# Altium PCB DIOT_Kasli_Adapter.PcbDoc (part 9 of 10) (continued)
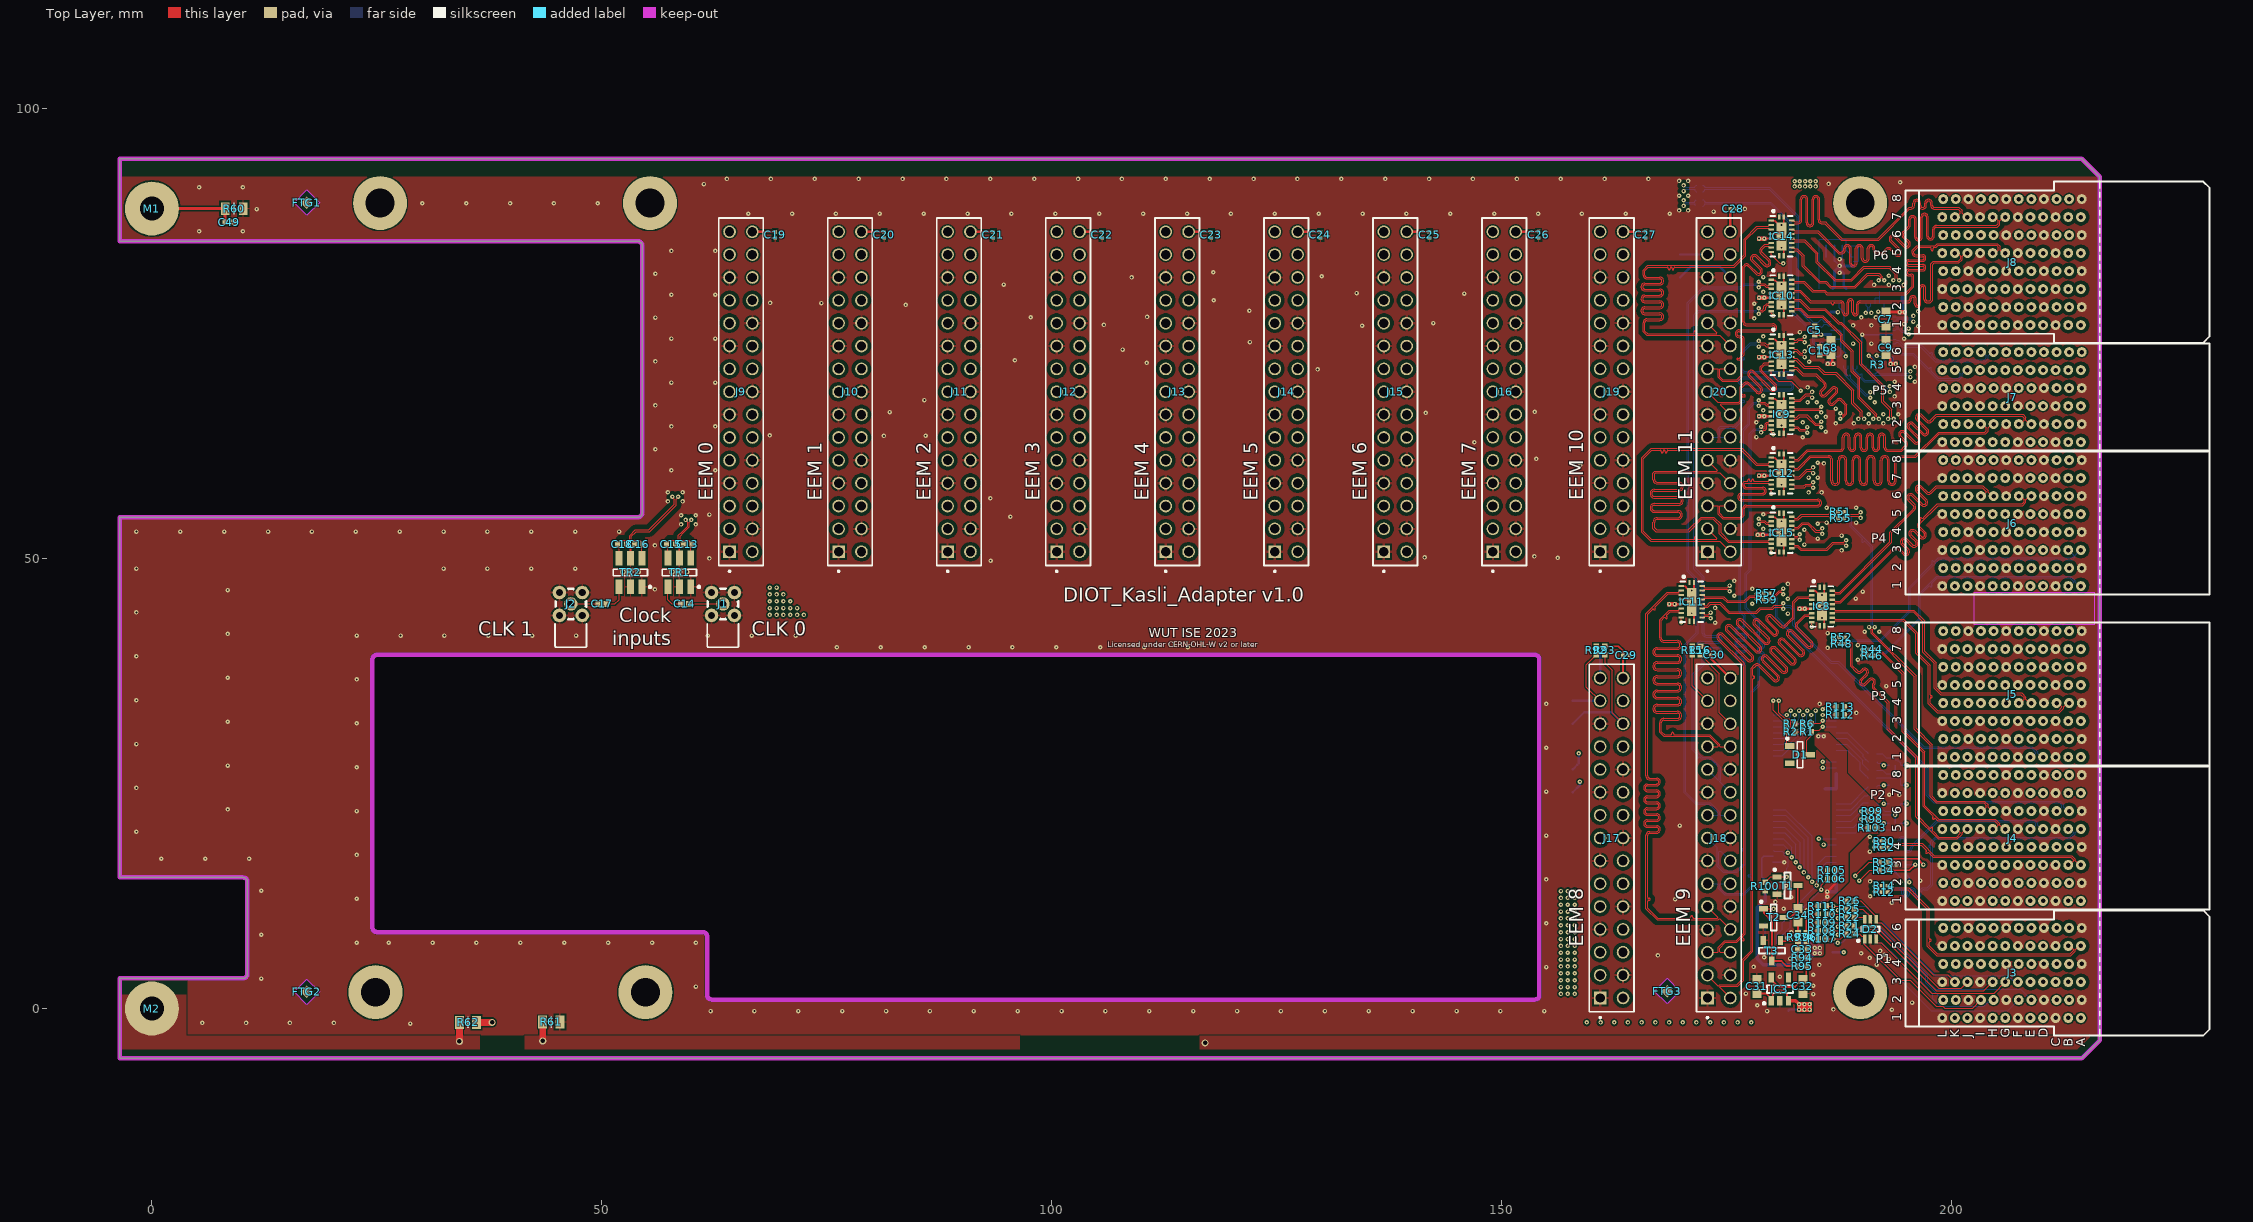
[diagram p0: Top Layer view]
## Nets (pads, with @x,y where several pads share a name; then routed paths per layer and width w, separated by ;. In a path a pad name is that pad's centre, name@x,y a point inside that pad or via, vN(x,y) a via of type N, cw(c..) or ccw(c..) an arc to the next point about the centre after c; other vN are vias at no path point) (continued)
  other v1: 28.702,-1.676 5.588,-1.6 10.465,-1.6 15.342,-1.6 20.218,-1.6 62.078,-0.279 66.954,-0.279 71.831,-0.279 76.708,-0.279 81.585,-0.279 86.462,-0.279 91.338,-0.279 96.215,-0.279 101.092,-0.279 105.969,-0.279 110.846,-0.279 115.722,-0.279 120.599,-0.279 125.476,-0.279 130.353,-0.279 135.23,-0.279 140.106,-0.279 144.983,-0.279 149.86,-0.279 154.737,-0.279 179.502,-0.279 193.37,-0.127 186.877,-0.105 178.41,0.356 195.605,0.66 184.633,1.602 177.153,1.664 60.452,2.438 184.633,2.54 12.141,3.327 180.924,3.531 184.633,3.759 154.955,4.597 178.003,4.623 185.318,4.851 191.668,4.857 193.039,5.492 182.046,5.556 190.906,5.619 179.164,5.706 167.361,5.893 192.531,5.949 189.941,6.147 192.049,6.407 22.758,7.315 26.314,7.315 31.191,7.315 36.068,7.315 40.945,7.315 45.822,7.315 50.698,7.315 55.575,7.315 60.452,7.315 12.141,8.204 182.2,8.461 154.955,9.474 183.882,10.906 181.337,11.088 193.369,11.757 180.419,11.84 169.266,12.141 22.758,12.192 182.183,12.389 190.938,12.477 12.141,13.081 181.61,13.64 190.938,14.12 196.494,14.224 154.955,14.351 193.858,16.004 1.041,16.637 5.918,16.637 10.795,16.637 22.758,17.069 190.926,17.435 190.926,19.078 154.955,19.228 -1.727,19.634 169.799,20.326 22.758,21.946 8.433,22.123 194.208,23.735 193.075,23.755 154.955,24.105 -1.727,24.511 22.758,26.822 8.433,27 154.955,28.981 -1.727,29.388 22.758,31.699 8.433,31.877 189.433,32.842 154.955,33.858 185.334,33.856 -1.727,34.265 192.735,35.839 22.758,36.576 8.433,36.754 189.587,38.753 -1.727,39.141 186.218,40.078 76.124,40.157 81.001,40.157 85.877,40.157 90.754,40.157 95.631,40.157 100.508,40.157 105.385,40.157 110.261,40.157 115.138,40.157 189.587,40.396 22.758,41.453 27.635,41.453 32.512,41.453 37.389,41.453 42.266,41.453 47.142,41.453 52.019,41.453 56.896,41.453 61.773,41.453 66.65,41.453 71.526,41.453 8.433,41.631 186.218,41.721 190.33,41.882 191.973,41.882 173.725,42.871 181.811,43.894 -1.727,44.018 173.725,44.514 177.85,44.98 181.811,45.537 189.357,45.552 175.844,45.871 190.131,46.332 8.433,46.507 55.905,46.584 177.85,46.623 181.811,47.18 175.844,47.514 -1.727,48.895 32.41,48.895 37.287,48.895 42.164,48.895 47.041,48.895 93.205,49.755 61.951,50.013 156.239,50.08 141.433,50.132 153.649,50.24 187.771,50.915 55.905,51.46 183.641,51.567 185.12,52.228 187.771,52.558 -1.727,53.01 3.15,53.01 8.026,53.01 12.903,53.01 17.78,53.01 22.657,53.01 27.534,53.01 32.41,53.01 37.287,53.01 42.164,53.01 47.041,53.01 51.918,53.01 183.641,53.21 179.079,53.293 58.797,53.797 60.44,53.797 185.12,53.871 186.103,54.006 189.382,54.006 95.402,54.661 58.797,54.813 60.44,54.813 61.951,54.889 179.079,54.936 186.103,55.649 189.382,55.649 57.336,56.363 58.979,56.363 93.193,56.707 184.103,57.362 185.548,57.36 57.336,57.379 58.979,57.379 184.103,59.005 185.119,59.005 85.8,59.608 57.734,59.817 62.611,59.817 158.725,60.376 185.811,60.58 185.119,60.648 153.848,61.08 55.956,62.154 146.976,62.922 183.456,63.485 178.317,63.513 81.354,63.642 85.974,63.664 68.667,63.686 186.029,64.096 57.734,64.694 62.611,64.694 187.122,65.028 189.144,65.022 190.787,65.022 192.43,65.022 183.456,65.128 178.317,65.156 185.013,65.739 186.029,65.739 190.787,66.038 192.43,66.038 194.073,66.038 141.554,66.192 82.005,66.288 153.67,66.294 179.079,66.465 187.122,66.671 55.956,67.031 191.465,67.367 183.997,67.382 185.013,67.382 85.844,67.611 193.665,68.018 179.079,68.108 183.997,69.025 191.465,69.01 57.734,69.571 62.611,69.571 193.665,69.661 195.935,69.661 129.54,71.018 195.935,71.304 110.566,71.755 184.166,71.889 55.956,71.907 95.91,72.034 179.079,73.051 107.874,73.228 184.166,73.532 122.022,74.066 194.716,74.428 57.734,74.447 62.611,74.447 179.079,74.694 183.15,75.175 196.278,75.835 134.493,75.87 105.791,75.971 194.716,76.071 142.392,76.175 178.063,76.685 55.956,76.784 189.953,76.796 191.596,76.796 97.659,76.823 110.601,76.852 196.278,77.478 121.971,77.546 83.768,78.186 178.063,78.328 74.411,78.393 68.7,78.416 118.008,78.715 57.734,79.324 62.611,79.324 145.847,79.451 133.883,79.502 179.079,79.637 191.388,80.422 193.031,80.422 194.674,80.422 94.664,80.458 108.864,81.255 179.079,81.28 130.008,81.389 193.031,81.438 55.956,81.661 117.958,81.825 57.734,84.201 62.611,84.201 5.232,86.385 10.109,86.385 66.264,88.316 71.141,88.316 76.018,88.316 80.895,88.316 85.772,88.316 90.648,88.316 95.525,88.316 100.402,88.316 105.279,88.316 110.156,88.316 115.032,88.316 119.909,88.316 124.786,88.316 129.663,88.316 134.54,88.316 139.416,88.316 144.293,88.316 149.17,88.316 154.047,88.316 158.924,88.316 163.8,88.316 168.677,88.316 173.554,88.57 169.71,88.688 170.726,88.688 11.641,88.847 177.038,88.87 30.048,89.484 34.925,89.484 39.802,89.484 44.679,89.484 49.555,89.484 169.71,90.331 170.726,90.331 5.232,91.262 10.109,91.262 61.341,91.618 186.334,91.643 194.285,91.821 169.71,91.974 170.726,91.974 63.906,92.202 68.783,92.202 73.66,92.202 78.537,92.202 83.414,92.202 88.29,92.202 93.167,92.202 98.044,92.202 102.921,92.202 107.798,92.202 112.674,92.202 117.551,92.202 122.428,92.202 127.305,92.202 132.182,92.202 137.058,92.202 141.935,92.202 146.812,92.202 151.689,92.202 156.566,92.202 161.442,92.202 166.319,92.202
  other v2: 189.055,73.89 191.087,73.89 189.055,75.922 191.087,75.922 187.547,81.763 187.547,83.287
  other v3: 52.354,48.524 53.177,48.524 54.001,48.524 57.788,48.525 58.612,48.525 59.435,48.525
I2C_SCL_0: J9.27
I2C_SCL_1: J10.27
I2C_SCL_2: J11.27
I2C_SCL_3: J12.27
I2C_SCL_4: J13.27
I2C_SCL_5: J14.27
I2C_SCL_6: J15.27
I2C_SCL_7: J16.27
I2C_SCL_8: J17.27 R33.1 R92.1 TP1.1 | length 49.6
  Top Layer w0.127: R92.1@160.528,39.319 160.508,39.319 160.282,39.093 160.282,39.073 159.41,38.202 159.41,35.727 J17.27@160.947,34.19 ; v1(189.301,14.735) 190.839,16.273 R33.1@191.986,16.273
  L4 w0.127: J17.27@160.947,34.19 162.213,32.924 166.322,32.924 171.182,28.064 176.541,28.064 184.823,19.782 185.196,19.782 186.797,18.182 186.797,17.24 v1(189.301,14.735)
  Bottom Layer w0.254: TP1.1@157.899,34.19 J17.27@160.947,34.19
I2C_SCL_9: D4.1 J3.B2 J18.27 R15.1 TP3.1 | length 90.7
  Top Layer w0.127: R15.1@171.183,39.319 171.183,35.879 J18.27@172.872,34.19
  L4 w0.152: J18.27@172.872,34.19 174.133,32.929 175.842,32.929 190.19,18.581 190.19,17.45 191.082,16.558 191.778,16.558 v1(194.284,14.052)
  L9 w0.152: v1(158.577,28.349) 158.577,32.415 159.309,33.147 164.871,33.147 165.914,34.19 J18.27@172.872,34.19 ; v1(194.284,14.052) 194.284,14.032 194.692,13.624 196.214,12.101 196.214,1.962 198.161,0.015 212.134,0.015 J3.B2@213.069,0.95
  Bottom Layer w0.152: D4.1@192.758,15.354 193.5,15.354 194.284,14.57 v1(194.284,14.052)
  Bottom Layer w0.254: TP3.1@157.899,26.591 157.92,26.591 158.407,27.078 158.407,27.099 158.577,27.269 v1(158.577,28.349)
I2C_SCL_10: J19.27
I2C_SCL_11: IC4.22 IC5.22 IC6.6 IC7.1 J20.27 R105.1 TP5.1 | length 119.1
  Top Layer w0.127: v1(185,13.674) 185,14.146 185.981,15.126 186.001,15.126 186.228,15.353 R105.1@186.228,15.373
  L3 w0.127: J20.27@172.872,83.79 172.528,83.79 172.223,83.485 172.171,83.485 169.494,80.808 169.494,50.566 166.954,48.027 166.954,44.354 169.455,41.853 175.248,41.853 175.778,42.384 183.129,42.384 183.682,42.936 186.705,42.936 188.589,41.052 190.392,41.052 191.204,40.241 191.204,32.943 v1(185.681,27.42)
  L6 w0.127: v1(185,13.674) 186.385,15.058 186.385,19.132 185.064,20.453 185.064,26.803 v1(185.681,27.42)
  Bottom Layer w0.127: IC6.6@180.568,7.202 180.568,8.183 181.198,8.813 IC7.1@181.198,9.531 181.434,9.767 181.434,10.108 v1(185,13.674) 185,15.919 185.996,16.914 IC4.22@187.166,16.914 ; v1(185.681,27.42) IC5.22@187.166,27.42
  Bottom Layer w0.254: TP5.1@169.824,83.79 J20.27@172.872,83.79
I2C_SDA_0: J9.26
I2C_SDA_1: J10.26
I2C_SDA_2: J11.26
I2C_SDA_3: J12.26
I2C_SDA_4: J13.26
I2C_SDA_5: J14.26
I2C_SDA_6: J15.26
I2C_SDA_7: J16.26
I2C_SDA_8: J17.26 R34.1 R93.1 TP2.1 | length 51.8
  Top Layer w0.127: R93.1@161.442,39.319 161.493,39.269 161.493,38.358 162.281,37.57 162.281,32.856 J17.26@163.487,31.65 ; v1(189.748,14.211) 190.89,15.354 R34.1@191.986,15.354
  L4 w0.127: J17.26@163.487,31.65 166.389,31.65 170.373,27.666 176.089,27.666 184.267,19.489 184.267,18.782 188.869,14.18 189.716,14.18 v1(189.748,14.211)
  Bottom Layer w0.254: TP2.1@157.899,31.65 159.167,32.918 162.219,32.918 J17.26@163.487,31.65
I2C_SDA_9: D4.6 J3.C2 J18.26 R16.1 TP4.1 | length 91.2
  Top Layer w0.127: R16.1@172.097,39.319 172.117,39.319 172.344,39.093 172.344,39.073 174.206,37.211 174.206,32.856 J18.26@175.412,31.65
  L4 w0.152: J18.26@175.412,31.65 176.276,31.65 189.565,18.362 189.565,17.273 190.834,16.004 191.591,16.004 194.143,13.452 194.7,13.452 v1(195.3,14.052)
  L9 w0.152: v1(158.706,25.206) 158.706,27.561 159.505,28.36 159.505,31.758 160.391,32.645 165.722,32.645 166.021,32.944 174.118,32.944 J18.26@175.412,31.65 ; v1(195.3,14.052) 197.307,12.045 197.307,3.028 198.424,1.911 210.708,1.911 J3.C2@211.669,0.95
  Bottom Layer w0.152: D4.6@194.958,15.354 194.958,14.895 195.3,14.553 v1(195.3,14.052)
  Bottom Layer w0.254: TP4.1@157.899,24.03 158.705,24.836 158.705,25.204 v1(158.706,25.206)
I2C_SDA_10: J19.26
I2C_SDA_11: IC4.23 IC5.23 IC6.5 IC7.3 J20.26 R106.1 TP6.1 | length 129.3
  Top Layer w0.127: v1(185.516,13.217) 185.516,13.722 185.981,14.186 186.001,14.186 186.228,14.413 R106.1@186.228,14.433
  L3 w0.127: J20.26@175.412,81.25 174.152,82.51 172.286,82.51 170.306,80.53 170.306,50.393 168.072,48.158 168.072,44.177 170.051,42.198 174.373,42.198 175.285,43.109 182.683,43.109 183.465,43.891 187.417,43.891 189.877,41.432 190.746,41.432 191.734,40.443 191.734,32.823 v1(185.681,26.77)
  L6 w0.127: v1(185.516,13.217) 186.893,14.593 186.893,19.792 185.681,21.004 v1(185.681,26.77)
  Bottom Layer w0.127: IC7.3@179.298,9.531 IC6.5@179.298,7.202 179.298,6.254 179.577,5.975 180.898,5.975 181.198,6.275 181.198,8.155 182.067,9.024 182.067,9.788 185.495,13.217 v1(185.516,13.217) 185.516,15.622 186.125,16.231 187.132,16.231 IC4.23@187.166,16.264 ; v1(185.681,26.77) IC5.23@187.166,26.77
  Bottom Layer w0.254: TP6.1@169.824,81.25 171.092,82.518 174.144,82.518 J20.26@175.412,81.25
Main_DCXO_1_N: C2.2 IC1.15 R4.1 | length 27.6
  Bottom Layer w0.089: C2.2@172.364,89.865 172.389,89.865 172.545,89.71 172.545,89.657 172.597,89.605 179.91,89.605 182.165,87.349 182.165,77.699 184.756,75.108 184.756,74.079 185.084,73.751 185.241,73.751 185.293,73.803 185.293,73.88 185.539,74.126 R4.1@185.559,74.126 185.575,74.126 185.821,73.88 185.821,73.803 185.873,73.751 186.142,73.751 186.297,73.906 IC1.15@186.575,73.906
Main_DCXO_1_P: C1.2 IC1.14 R4.2 | length 27.6
  Bottom Layer w0.089: C1.2@172.364,89.154 172.389,89.154 172.545,89.31 172.545,89.362 172.597,89.414 179.831,89.414 181.975,87.27 181.975,77.62 184.565,75.029 184.565,74 185.005,73.561 185.241,73.561 185.293,73.509 185.293,73.432 185.539,73.186 R4.2@185.559,73.186 185.575,73.186 185.821,73.432 185.821,73.509 185.873,73.561 186.142,73.561 186.297,73.406 IC1.14@186.575,73.406
Main_DCXO_C_1_N: C2.1 C15.1 TR1.4 | length 151.2
  Top Layer w0.089: TR1.4@57.342,50.049 57.342,51.431 C15.1@57.2,51.573 57.2,51.628 57.484,51.912 57.484,51.988 57.555,52.059 58.464,52.059 58.516,52.111 58.516,52.591 58.916,52.991 58.916,52.997 59.523,53.604 59.523,54.055 59.305,54.273 v1(59.305,54.305)
  L7 w0.089: v1(59.305,54.305) 59.305,54.357 59.51,54.563 59.51,55.015 61.437,56.941 61.437,87.239 63.816,89.618 169.96,89.618 170.166,89.823 v1(170.218,89.823)
  Bottom Layer w0.089: v1(170.218,89.823) 170.25,89.823 170.468,89.605 171.432,89.605 171.484,89.657 171.484,89.71 C2.1@171.639,89.865
Main_DCXO_C_1_P: C1.1 C13.2 TR1.6 | length 151.1
  Top Layer w0.089: TR1.6@59.882,50.049 59.882,51.431 C13.2@60.023,51.573 60.023,51.628 59.739,51.912 59.739,51.988 59.669,52.059 58.759,52.059 58.707,52.111 58.707,52.512 59.107,52.912 59.107,52.918 59.714,53.525 59.714,54.055 59.932,54.273 v1(59.932,54.305)
  L7 w0.089: v1(59.932,54.305) 59.932,54.357 59.726,54.563 59.726,54.925 61.653,56.852 61.653,87.149 62.416,87.913 62.6,88.097 cw(c62.677,88.02) 62.753,88.097 62.792,88.057 ccw(c62.869,88.134) 62.945,88.057 ccw(c62.869,88.134) 62.945,88.21 62.906,88.249 cw(c62.982,88.326) 62.906,88.402 63.242,88.738 63.905,89.402 169.96,89.402 170.166,89.196 v1(170.218,89.196)
  Bottom Layer w0.089: v1(170.218,89.196) 170.25,89.196 170.468,89.414 171.432,89.414 171.484,89.362 171.484,89.31 C1.1@171.54,89.254
NetC5_2: C5.2 IC1.17 | length 1.8
  Top Layer w0.305: C5.2@184.797,74.906 185.482,74.906 v1(185.491,74.897)
  Bottom Layer w0.305: v1(185.491,74.897) 185.501,74.906 IC1.17@186.575,74.906
NetC11_1: C11.1 IC2.7 R9.1 | length 3.3
  Bottom Layer w0.127: R9.1@188.798,84.795 C11.1@189.712,84.795 189.712,83.099 189.638,83.025 IC2.7@189.047,83.025
NetC14_1: C14.1 J1.1 | length 3.8
  Top Layer w0.102: C14.1@59.648,44.958 J1.1@63.458,44.958
NetC14_2: C14.2 TR1.3 | length 3.1
  Top Layer w0.102: TR1.3@57.342,46.869 57.342,45.405 57.788,44.958 C14.2@58.748,44.958
NetC17_1: C17.1 J2.1 | length 3
  Top Layer w0.102: J2.1@46.552,44.958 C17.1@49.6,44.958
NetC17_2: C17.2 TR2.3 | length 3.1
  Top Layer w0.102: C17.2@50.5,44.958 51.46,44.958 51.907,45.405 TR2.3@51.907,46.868
NetC33_1: C33.1 R94.2 R97.1 T3.1 | length 3.8
  Top Layer w0.203: T3.1@180.988,7.575 181.09,7.473 R97.1@182.91,7.473 ; R94.2@182.91,5.634 182.91,6.539 C33.1@182.93,6.559 R97.1@182.93,7.473
NetC34_1: C34.1 R96.1 T1.3 T2.3 | length 7.7
  Top Layer w0.203: T2.3@181.388,10.12 182.108,10.12 182.532,10.544 182.532,10.712 C34.1@182.93,11.111 ; T1.3@182.912,13.671 182.912,11.129 C34.1@182.93,11.111 ; R96.1@183.845,8.413 183.845,10.196 C34.1@182.93,11.111
NetC34_2: C34.2 R97.2 | length 1.2
  Top Layer w0.203: R97.2@182.93,8.413 C34.2@182.93,9.611
NetD1_1: D1.1 IC1.1 IC1.33 R2.2 | length 65.5
  Top Layer w0.102: v1(180.822,34.195) 180.822,32.851 181.496,32.177 181.965,32.177 182.128,32.015 182.128,31.247 181.657,30.776 181.657,29.43 181.931,29.156 D1.1@182.009,29.156
  L7 w0.102: v1(191.68,72.53) 191.68,73.816 192.138,74.274 192.138,77.179 v1(191.859,77.458)
  L9 w0.102: v1(180.822,34.195) 180.822,42.138 179.664,43.296 179.664,49.966 177.452,52.178 177.452,61.674 177.693,61.915 177.693,67.541 179.278,69.126 182.33,69.126 182.802,69.598 187.403,69.598 187.783,69.978 189.127,69.978 v1(191.68,72.53)
  Bottom Layer w0.102: v1(191.68,72.53) 191.721,72.489 192.199,72.489 192.525,72.164 IC1.1@192.525,71.456 ; v1(191.859,77.458) 192.318,77.458 192.525,77.665 IC1.33@192.525,78.356
NetD2_1: D2.1 J3.I2 R24.2 | length 18.3
  Top Layer w0.127: R24.2@189.179,8.286 189.75,8.286 190.017,8.019 190.197,8.019 190.322,7.894 190.322,7.143 194.335,3.13 195.402,3.13 198.297,0.235 199.033,0.235 199.253,0.015 202.334,0.015 J3.I2@203.269,0.95
NetD2_3: D2.3 J3.G3 R21.2 | length 20.9
  Top Layer w0.127: R21.2@189.179,9.202 189.179,9.182 189.405,8.955 189.891,8.955 190.267,8.58 191.261,8.58 191.529,8.312 191.529,7.83 191.77,7.59 191.77,7.315 192.203,7.315 197.813,1.704 203.646,1.704 203.657,1.715 204.733,1.715 J3.G3@205.969,2.95
NetD2_4: D2.4 J3.K3 R26.2 | length 15.2
  Top Layer w0.127: R26.2@189.179,11.949 189.885,11.949 191.633,10.201 D2.4@191.633,9.926 ; D2.4@191.696,9.926 191.696,9.588 191.77,9.515 192.183,9.515 197.959,3.738 199.581,3.738 J3.K3@200.369,2.95
NetD2_5: D2.5 J3.J3 R25.2 | length 16.9
  Top Layer w0.127: R25.2@189.179,11.033 190.151,11.033 D2.5@191.12,10.065 ; D2.5@190.983,9.926 191.105,9.804 191.105,9.242 191.253,9.094 191.698,9.094 198.557,2.235 201.054,2.235 J3.J3@201.769,2.95
NetD2_6: D2.6 J3.H3 R22.2 | length 19.5
  Top Layer w0.127: R22.2@189.179,10.118 190.197,10.118 190.333,9.981 D2.6@190.333,9.926 190.408,9.851 190.408,9.335 190.913,8.83 191.438,8.83 198.3,1.967 203.586,1.967 J3.H3@204.569,2.95
NetD3_1: D3.1 J3.H2 R23.2 | length 20.4
  Bottom Layer w0.127: R23.2@189.179,8.643 189.242,8.58 191.347,8.58 191.529,8.398 D3.1@191.529,7.83 ; D3.1@191.633,7.726 191.77,7.59 191.77,7.315 192.253,7.315 194.057,5.51 194.833,5.51 196.697,3.646 196.697,2.894 197.926,1.665 197.926,1.081 198.773,0.235 203.565,0.235 204.094,0.764 204.483,0.764 J3.H2@204.669,0.95
NetD3_3: D3.3 J3.F2 R20.2 | length 22.5
  Bottom Layer w0.127: R20.2@189.179,7.727 189.179,7.726 D3.3@190.333,7.726 190.322,7.715 190.322,7.143 197.738,-0.274 206.245,-0.274 J3.F2@207.469,0.95
NetD3_4: D3.4 J3.L2 R28.2 | length 14.6
  Bottom Layer w0.127: R28.2@189.179,9.559 189.179,9.579 189.405,9.805 189.425,9.805 189.546,9.926 D3.4@190.333,9.926 190.408,9.851 190.408,9.122 190.722,8.808 191.862,8.808 194.357,6.313 194.437,6.313 197.138,3.612 197.138,2.886 198.138,1.885 198.143,1.885 199.069,0.96 J3.L2@199.069,0.95
NetD3_5: D3.5 J3.E2 R18.2 | length 24.4
  Bottom Layer w0.127: R18.2@189.179,10.474 189.332,10.627 190.557,10.627 D3.5@190.983,10.201 ; D3.5@190.983,9.926 191.105,9.804 191.105,9.199 191.267,9.037 192.037,9.037 197.367,3.707 197.367,2.98 198.233,2.114 207.705,2.114 J3.E2@208.869,0.95
NetD3_6: D3.6 J3.F3 R19.2 | length 22
  Bottom Layer w0.127: R19.2@189.179,11.39 190.444,11.39 191.633,10.201 D3.6@191.633,9.926 ; D3.6@191.696,9.926 191.696,9.588 191.77,9.515 192.386,9.515 198.235,3.665 206.265,3.665 206.684,3.246 206.684,3.207 206.758,3.133 207.186,3.133 J3.F3@207.369,2.95
NetD4_4: D4.4 J4.A7 R33.2 | length 30.5
  Top Layer w0.152: R33.2@192.926,16.293 193.287,16.654 196.227,16.654 v1(196.877,16.004)
  L7 w0.127: v1(196.877,16.004) 196.877,18.923 197.633,19.679 197.633,22.092 198.331,22.79 213.209,22.79 J4.A7@214.369,23.95
  Bottom Layer w0.152: D4.4@194.958,16.654 196.227,16.654 v1(196.877,16.004)
NetD4_5: D4.5 J4.B7 R34.2 | length 27.7
  Top Layer w0.152: R34.2@192.926,15.354 195.323,15.354 v1(195.973,16.004)
  L7 w0.127: v1(195.973,16.004) 195.973,18.96 197.14,20.128 197.14,22.46 197.814,23.134 212.153,23.134 J4.B7@212.969,23.95
  Bottom Layer w0.152: D4.5@194.958,16.004 v1(195.973,16.004)
NetD5_1: D5.1 J4.D7 R37.2 | length 21.1
  L7 w0.102: v1(192.455,22.782) 194.251,22.782 196.401,24.932 208.816,24.932 209.617,24.131 209.987,24.131 J4.D7@210.169,23.95
  Bottom Layer w0.127: R37.2@191.681,23.755 191.681,23.735 191.907,23.508 192.171,23.508 192.455,23.224 v1(192.455,22.782)
  Bottom Layer w0.152: v1(192.455,22.782) D5.1@193.075,22.782
NetD5_3: D5.3 J4.E7 R38.2 | length 19.2
  L7 w0.102: v1(194.995,22.782) 196.866,24.652 208.066,24.652 J4.E7@208.769,23.95
  Bottom Layer w0.127: R38.2@191.681,22.84 191.681,22.82 191.907,22.594 191.927,22.594 192.572,21.949 194.17,21.949 194.375,22.154 D5.3@194.375,22.782
  Bottom Layer w0.152: D5.3@194.375,22.782 v1(194.995,22.782)
NetD5_4: D5.4 J3.C3 R17.2 | length 35.5
  L6 w0.102: v1(194.995,20.582) 195.052,20.582 197.865,17.768 197.865,4.527 198.526,3.867 210.652,3.867 J3.C3@211.569,2.95
  Bottom Layer w0.127: R17.2@191.681,20.097 192.251,20.097 192.489,19.859 193.974,19.859 194.239,20.125 194.239,20.445 D5.4@194.375,20.582
  Bottom Layer w0.152: D5.4@194.375,20.582 v1(194.995,20.582)
NetD5_5: D5.5 J4.H7 R40.2 | length 15
  L6 w0.102: v1(193.725,21.507) 193.833,21.507 193.958,21.632 193.966,21.632 194.391,22.057 196.326,22.057 197.341,23.072 203.69,23.072 J4.H7@204.569,23.95
  Bottom Layer w0.127: R40.2@191.681,21.926 191.681,21.906 191.907,21.679 191.927,21.679 192.1,21.507 v1(193.725,21.507)
  Bottom Layer w0.152: D5.5@193.725,20.582 v1(193.725,21.507)
NetD5_6: D5.6 J4.G7 R39.2 | length 16.5
  L6 w0.102: v1(192.455,20.582) 193.727,20.582 194.827,21.681 196.481,21.681 197.58,22.78 204.799,22.78 J4.G7@205.969,23.95
  Bottom Layer w0.127: R39.2@191.681,21.012 191.742,20.95 192.087,20.95 v1(192.455,20.582)
  Bottom Layer w0.152: v1(192.455,20.582) D5.6@193.075,20.582
NetD6_1: D6.1 J4.K7 R43.2 | length 9.7
  L6 w0.102: v1(194.995,24.814) 199.505,24.814 J4.K7@200.369,23.95
  Bottom Layer w0.127: R43.2@191.681,25.584 191.719,25.622 194.17,25.622 194.375,25.416 D6.1@194.375,24.814
  Bottom Layer w0.152: D6.1@194.375,24.814 v1(194.995,24.814)
NetD6_3: D6.3 J4.C8 R36.2 | length 21.3
  L6 w0.102: v1(192.455,24.814) 192.968,25.327 198.196,25.327 198.433,25.089 210.808,25.089 J4.C8@211.669,25.95
  Bottom Layer w0.127: R36.2@191.681,24.669 191.825,24.814 v1(192.455,24.814)
  Bottom Layer w0.152: v1(192.455,24.814) D6.3@193.075,24.814
NetD6_4: D6.4 J4.J7 R41.2 | length 13
  L4 w0.102: v1(192.455,27.014) 194.031,27.014 198.179,22.866 200.685,22.866 J4.J7@201.769,23.95
  Bottom Layer w0.127: R41.2@191.681,27.412 191.812,27.281 192.188,27.281 v1(192.455,27.014)
  Bottom Layer w0.152: v1(192.455,27.014) D6.4@193.075,27.014
NetD6_5: D6.5 J4.J8 R42.2 | length 12.2
  L9 w0.102: v1(193.725,26.089) 197.311,26.089 198.468,24.932 200.851,24.932 J4.J8@201.869,25.95
  Bottom Layer w0.127: R42.2@191.681,26.498 192.354,26.498 192.763,26.089 v1(193.725,26.089)
  Bottom Layer w0.152: v1(193.725,26.089) D6.5@193.725,27.014
NetD6_6: D6.6 J4.B8 R35.2 | length 22.6
  L9 w0.102: v1(194.995,27.014) 212.005,27.014 J4.B8@213.069,25.95
  Bottom Layer w0.127: R35.2@191.681,28.327 192.285,28.327 192.739,27.873 193.537,27.873 193.756,27.654 193.994,27.654 194.09,27.557 194.09,27.5 194.165,27.425 194.239,27.425 194.375,27.289 D6.6@194.375,27.014
  Bottom Layer w0.152: D6.6@194.375,27.014 v1(194.995,27.014)
NetIC1_2: IC1.2 IC1.3 R3.2 | length 3.8
  Top Layer w0.102: v1(190.804,72.53) 191.445,71.89 R3.2@191.445,71.548
  Bottom Layer w0.102: v1(190.804,72.53) 190.862,72.472 191.112,72.472 191.525,72.06 ; IC1.3@191.525,71.456 191.525,72.06 ; IC1.2@192.025,71.456 192.025,72 191.965,72.06 191.525,72.06
NetIC1_23: IC1.23 R7.2 | length 57.2
  Top Layer w0.102: v1(180.18,34.195) 180.18,33.147 181.398,31.929 181.418,31.929 181.657,31.69 R7.2@181.657,31.67
  L9 w0.102: v1(180.18,34.195) 180.18,42.195 179.379,42.995 179.379,49.823 177.188,52.014 177.188,61.765 177.471,62.047 177.471,67.685 179.171,69.385 182.214,69.385 182.688,69.859 186.013,69.859 188.243,72.089 v1(188.243,72.475)
  Bottom Layer w0.102: IC1.23@187.525,78.356 187.541,78.34 187.541,77.871 188.052,77.359 188.052,73.042 188.243,72.851 v1(188.243,72.475)
NetIC1_31: IC1.31 IC1.32 R8.2 | length 2.4
  Bottom Layer w0.102: IC1.31@191.525,78.356 191.525,78.946 191.584,79.005 192.025,79.005 ; IC1.32@192.025,78.356 192.025,79.005 ; R8.2@192.025,79.644 192.025,79.005
NetIC2_5: IC2.5 R10.2 | length 1.3
  Bottom Layer w0.203: IC2.5@186.047,83.525 R10.2@186.047,84.795
NetR1_2: R1.2 R2.1 | length 0.9
  Top Layer w0.102: R2.1@182.597,30.756 R1.2@183.486,30.756
NetR6_2: R6.2 R7.1 | length 0.9
  Top Layer w0.102: R7.1@182.597,31.67 R6.2@183.486,31.67
P1V8: C6.2 IC2.9 IC2.10 L1.2
P1V8_CLK_Si_1: C7.2 C8.2 C9.2 C10.2 IC1.12 IC1.16 IC1.18 IC1.34 IC1.44 L1.1 | length 14.9
  Top Layer w0.305: C10.2@185.356,72.66 C8.2@186.575,72.66 186.73,72.505 186.73,71.743 v1(186.829,71.644) ; C9.2@192.713,72.66 192.738,72.66 193.06,72.337 193.06,72.312 193.195,72.177 193.195,71.67 v1(193.221,71.644) ; C7.2@192.713,77.406 v1(194.237,77.406)
  Bottom Layer w0.152: IC1.16@186.575,74.406 187.664,74.406 ; IC1.18@186.575,75.406 186.595,75.385 187.474,75.385 187.664,75.195 187.664,74.406 ; IC1.12@186.58,72.411 187.436,72.411 187.664,72.639 187.664,74.406
  Bottom Layer w0.254: 186.575,71.644 IC1.12@186.575,72.406 ; 193.475,71.644 IC1.44@193.475,72.406 ; IC1.34@193.475,77.406 v1(194.237,77.406)
  Bottom Layer w0.381: 194.5,77.543 L1.1@194.5,79.051
  other v1: 186.245,71.644 193.805,71.644 194.821,77.406
P3V3: C12.2 C19.2 C20.2 C21.2 C22.2 C23.2 C24.2 C25.2 C26.2 C27.2 C28.2 C29.2 C30.2 C35.2 C36.2 C37.2 C38.2 C39.2 C40.2 C41.2 C42.2 C43.2 C44.2 C45.2 C46.2 C47.2 C48.2 IC2.1 IC2.2 IC2.3 IC2.6 IC4.3 IC4.24 IC5.3 IC5.21 IC5.24 IC6.8 IC7.4 IC8.6 IC9.6 IC10.6 IC11.6 IC12.6 IC13.6 IC14.6 IC15.6 J9.30 J10.30 J11.30 J12.30 J13.30 J14.30 J15.30 J16.30 J17.30 J18.30 J19.30 J20.30 R15.2 R16.2 R27.2 R92.2 R93.2 R98.2 R99.2 R101.2 R102.2 R103.2 R104.2 R105.2 R106.2 R107.2 R108.2 R109.2 R110.2 R111.2 TP9.1 | length 105.1
  Top Layer w0.203: R92.2@160.528,40.259 R93.2@161.442,40.259 162.969,40.259 163.487,39.741 C29.2@163.487,39.27 ; R15.2@171.183,40.259 R16.2@172.097,40.259 172.867,40.259 173.287,39.84 C30.2@173.287,39.319
  Top Layer w0.254: J9.30@66.73,86.322 C19.2@69.27,86.322 ; J10.30@78.849,86.322 C20.2@81.389,86.322 ; J11.30@90.968,86.322 C21.2@93.508,86.322 ; J12.30@103.087,86.322 C22.2@105.627,86.322 ; J13.30@115.206,86.322 C23.2@117.746,86.322 ; J14.30@127.325,86.322 C24.2@129.865,86.322 ; J15.30@139.444,86.322 C25.2@141.984,86.322 ; J16.30@151.562,86.33 C26.2@154.102,86.33 ; J17.30@163.487,36.73 C29.2@163.487,39.27 ; J19.30@163.487,86.33 C27.2@166.027,86.33 ; v1(169.215,44.942) IC11.6@169.977,44.942 ; C30.2@173.262,39.319 173.287,39.319 173.287,38.855 J18.30@175.412,36.73 ; J20.30@175.412,86.33 C28.2@175.412,88.87 ; v1(179.037,52.639) IC15.6@179.951,52.639 ; v1(179.189,59.225) IC12.6@179.951,59.225 ; v1(179.189,65.811) IC9.6@179.951,65.811 ; v1(179.189,72.397) IC13.6@179.951,72.397 ; v1(179.189,78.983) IC10.6@179.951,78.983 ; v1(179.189,85.569) IC14.6@179.951,85.569 ; v1(183.685,44.434) IC8.6@184.447,44.434 ; v1(186.19,12.998) 186.19,12.999 186.313,13.123 186.315,13.123 187.082,13.891 187.082,14.348 R106.2@187.168,14.433 R105.2@187.168,15.373 ; R103.2@191.681,20.097 R98.2@191.681,21.012 R99.2@191.681,21.926
  Bottom Layer w0.127: C12.2@185.285,79.985 185.285,85.415 185.36,85.489 188.17,85.489 188.313,85.346 188.313,84.259 188.781,83.791 188.781,83.612 188.868,83.525 IC2.6@189.047,83.525
  Bottom Layer w0.152: C39.2@179.298,13.392 179.298,14.267 178.917,14.648 178.917,16.719 179.101,16.903 180.155,16.903 IC4.3@180.166,16.914
  Bottom Layer w0.254: J17.30@163.487,36.73 TP9.1@163.487,39.778 ; v1(169.215,44.942) C44.2@169.977,44.942 ; v1@179.189,52.639 C48.2@179.951,52.639 ; v1(179.189,59.225) C45.2@179.951,59.225 ; v1(179.189,65.811) C42.2@179.951,65.811 ; v1(179.189,72.397) C46.2@179.951,72.397 ; v1(179.189,78.983) C43.2@179.951,78.983 ; v1(179.189,85.569) C47.2@179.951,85.569 ; v1(183.685,44.434) C41.2@184.447,44.434 ; v1(185.369,6.731) 185.301,6.731 185.175,6.856 R101.2@185.175,7.727 R102.2@185.175,8.643 R27.2@185.175,9.559 R104.2@185.175,11.39 185.175,11.41 185.338,11.573 185.349,11.573 v1@186.065,12.289 ; v1@186.066,12.289 v1(186.19,12.414)
  Bottom Layer w0.381: C39.2@179.298,13.392 IC7.4@179.298,12.131 179.298,11.881 179.188,11.771 178.938,11.771 178.409,11.242 178.409,5.561 179.087,4.883 183.521,4.883 184.724,6.086 v1(184.785,6.147) ; C40.2@183.108,8.719 IC6.8@183.108,7.202 184.314,7.202 v1@184.723,6.793 ; v1@184.725,6.793 v1(184.785,6.731) ; C38.2@185.947,24.443 C37.2@187.166,24.443 IC5.24@187.166,26.12 ; v1(186.19,12.998) C36.2@187.166,12.998 C35.2@187.166,14.217 IC4.24@187.166,15.614
  other v1: 185.369,6.147 185.203,30.266 185.787,30.266 183.101,44.434 168.631,44.942 178.453,52.639 178.605,59.225 178.605,65.811 178.605,72.397 178.605,78.983 178.605,85.569 182.55,91.364 183.134,91.364 183.718,91.364 184.302,91.364 184.887,91.364 182.55,91.948 183.134,91.948 183.718,91.948 184.302,91.948 184.887,91.948
P3V3_MP: C32.2 C33.2 IC3.5 R94.1 R95.2 R96.2 | length 8.8
  Top Layer w0.203: IC3.5@179.974,3.465 179.974,3.215 180.8,2.389 182.583,2.389 183.464,3.27 C32.2@183.489,3.27 183.85,3.631 R95.2@183.85,4.72 R94.1@183.85,5.634 183.85,6.539 C33.2@183.83,6.559 ; C33.2@183.845,6.559 R96.2@183.845,7.473
P5V0_MP: C31.2 IC3.1 IC3.3 J3.B1 TP7.1 | length 38.7
  Top Layer w0.203: C31.2@178.358,1.67 179.419,1.67 179.974,1.115 IC3.1@179.974,0.865 180.132,1.024 180.132,1.581 180.562,2.01 181.306,2.01 181.725,1.59 181.725,1.014 IC3.3@181.874,0.865
  Top Layer w0.381: IC3.3@181.874,0.865 182.655,0.865 182.996,0.524 v1(183.057,0.463)
  L4 w0.762: v1@183.811,0.008 184.987,0.008 187.168,-2.173 211.906,-2.173 212.969,-1.11 J3.B1@212.969,-1.05
  Bottom Layer w0.254: TP7.1@181.878,-0.235 181.992,-0.121 v1(183.057,-0.121)
  other v1: 183.641,-0.121 184.226,-0.121 183.641,0.463 184.226,0.463

## Text inside footprints (layer, text, board x,y; h text height)
J8: Top Overlay "1" at 194.419,75.6 h1 r90; Top Overlay "2" at 194.419,77.6 h1 r90; Top Overlay "3" at 194.419,79.6 h1 r90; Top Overlay "4" at 194.419,81.6 h1 r90; Top Overlay "5" at 194.419,83.6 h1 r90; Top Overlay "6" at 194.419,85.6 h1 r90; Top Overlay "7" at 194.419,87.6 h1 r90; Top Overlay "8" at 194.419,89.6 h1 r90; Drill Drawing "Diam. 0.5mm +/-0.05" at 198.119,44.785 h1; Drill Drawing "PRESS-FIT TECHNOLOGY" at 198.119,43.285 h1; Notvisible "Top Surface of Mother Board" at 228.719,78.575 h0.5 r90; Notvisible "Edge of Daugher Card" at 217.219,79.725 h0.5 r90; Mechanical 14 "1" at 194.419,75.6 h1 r90; Mechanical 14 "L" at 199.469,73.75 h1 r90; Mechanical 14 "2" at 194.419,77.6 h1 r90; Mechanical 14 "K" at 200.869,73.75 h1 r90; Mechanical 14 "J" at 202.269,73.75 h1 r90; Mechanical 14 "3" at 194.419,79.6 h1 r90; Mechanical 14 "4" at 194.419,81.6 h1 r90; Mechanical 14 "I" at 203.669,74 h1 r90; Mechanical 14 "H" at 205.069,73.75 h1 r90; Mechanical 14 "G" at 206.469,73.75 h1 r90; Mechanical 14 "5" at 194.419,83.6 h1 r90; Mechanical 14 "6" at 194.419,85.6 h1 r90; Mechanical 14 "7" at 194.419,87.6 h1 r90; Mechanical 14 "8" at 194.419,89.6 h1 r90; Mechanical 14 "F" at 207.869,73.75 h1 r90; Mechanical 14 "E" at 209.269,73.75 h1 r90; Mechanical 14 "D" at 210.669,73.75 h1 r90; Mechanical 14 "C" at 212.069,72.75 h1 r90; Mechanical 14 "B" at 213.469,72.75 h1 r90; Mechanical 14 "A" at 214.869,72.75 h1 r90